# KiCad board msf-owl-clock.kicad_pcb
title: MSF Owl Clock; date: June 2024; rev: 0.1; company: Pete Restall <pete@restall.net>; note: Stackup JLC04161H-7628; note: https://jlcpcb.com/capabilities/pcb-capabilities; note: Drawn according to JLCPCB capabilities:
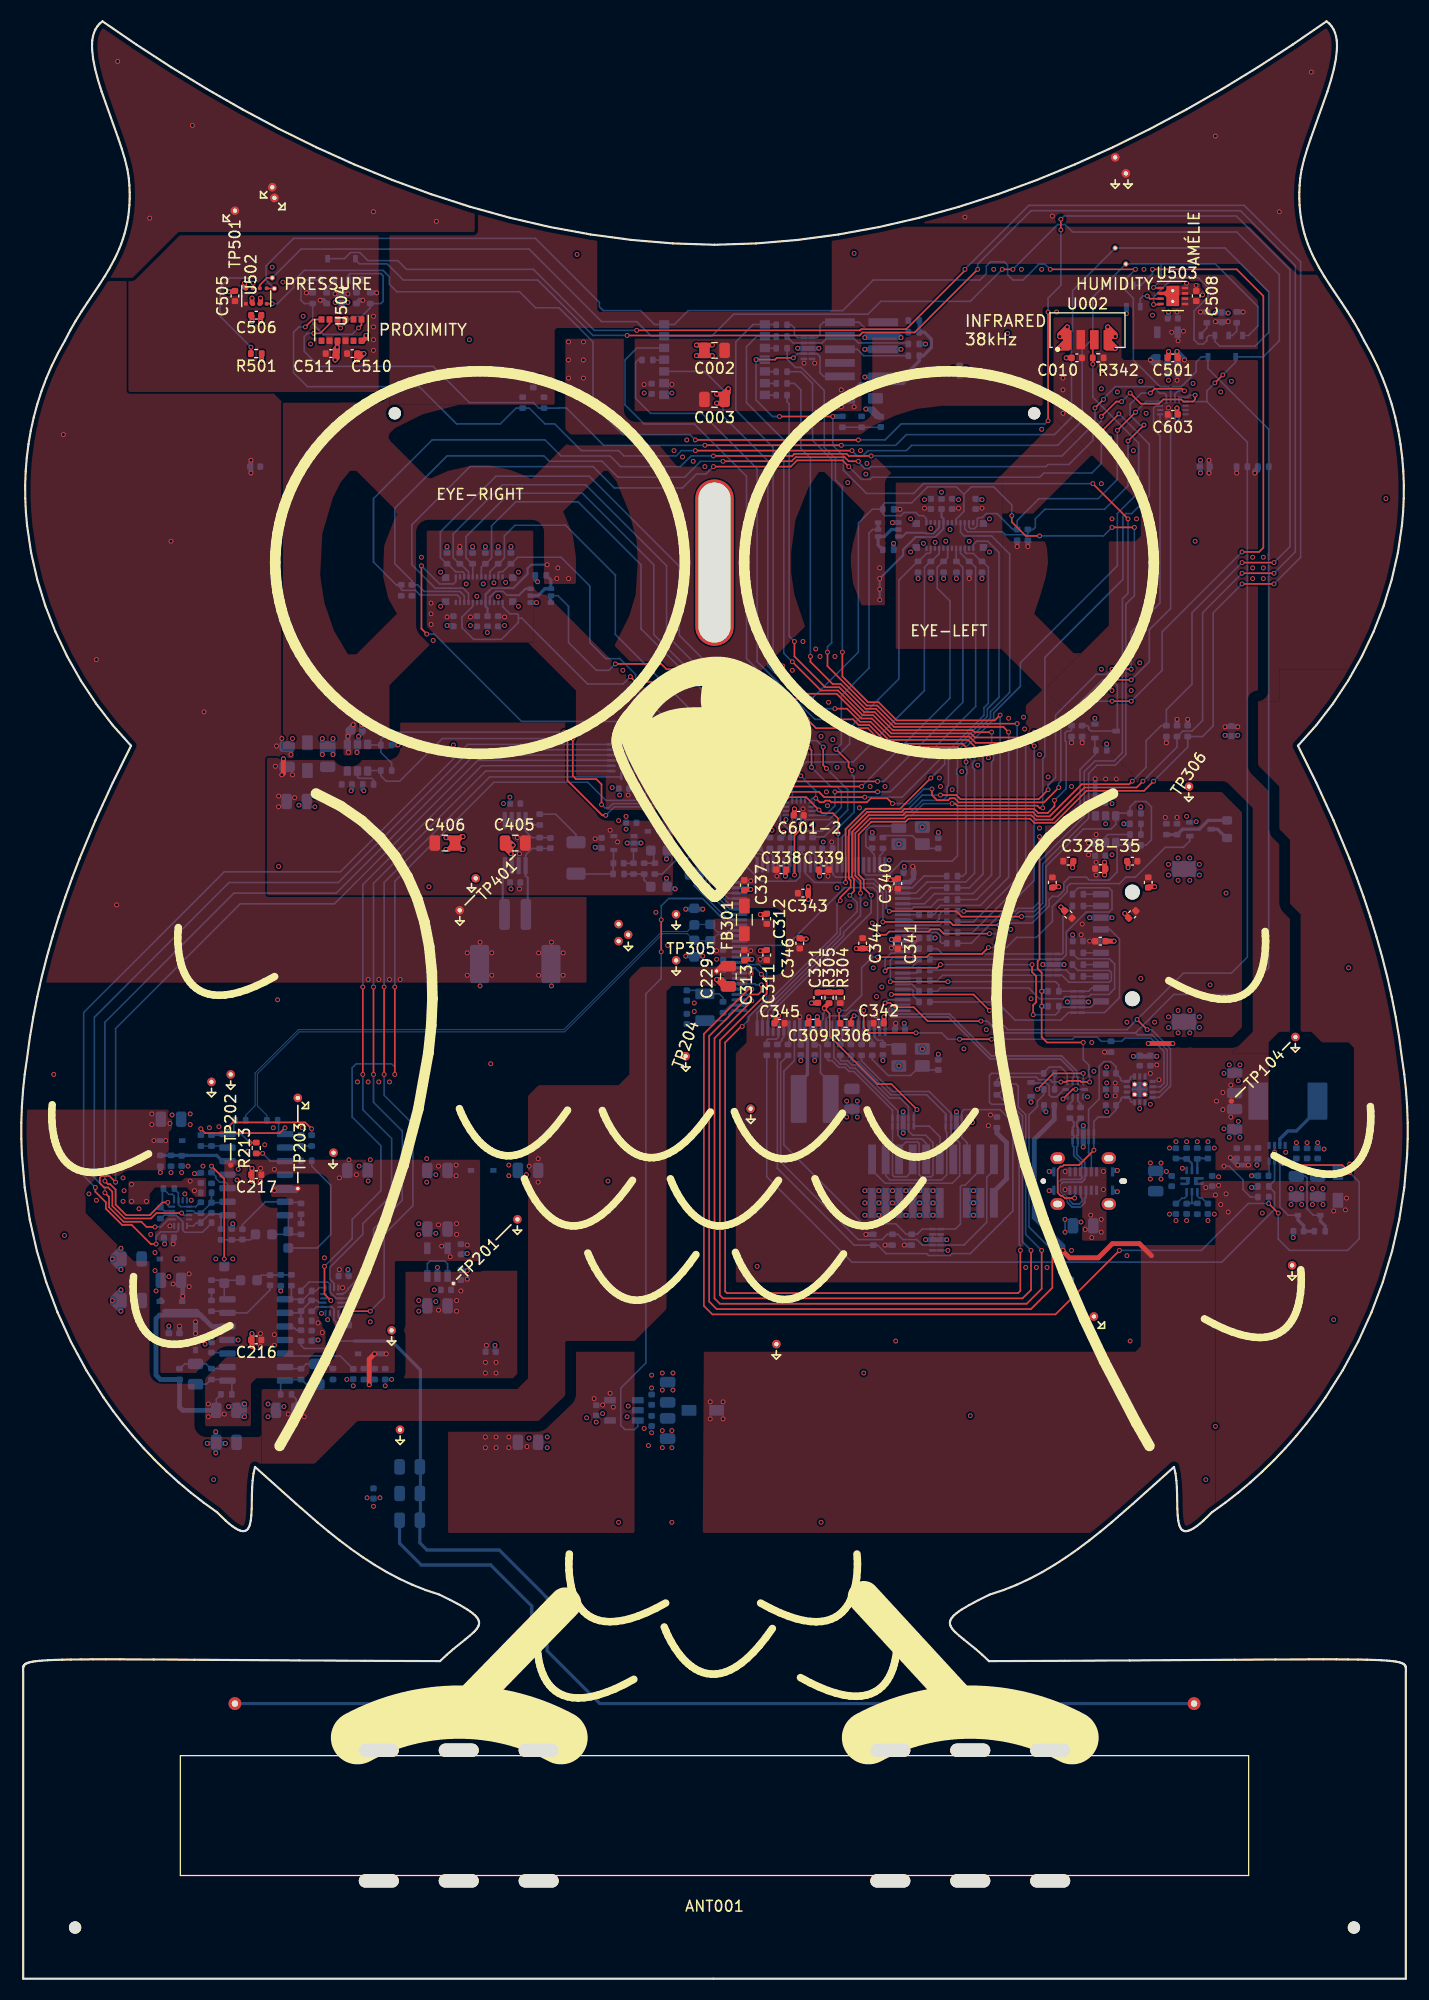
[diagram p0: board, top side]
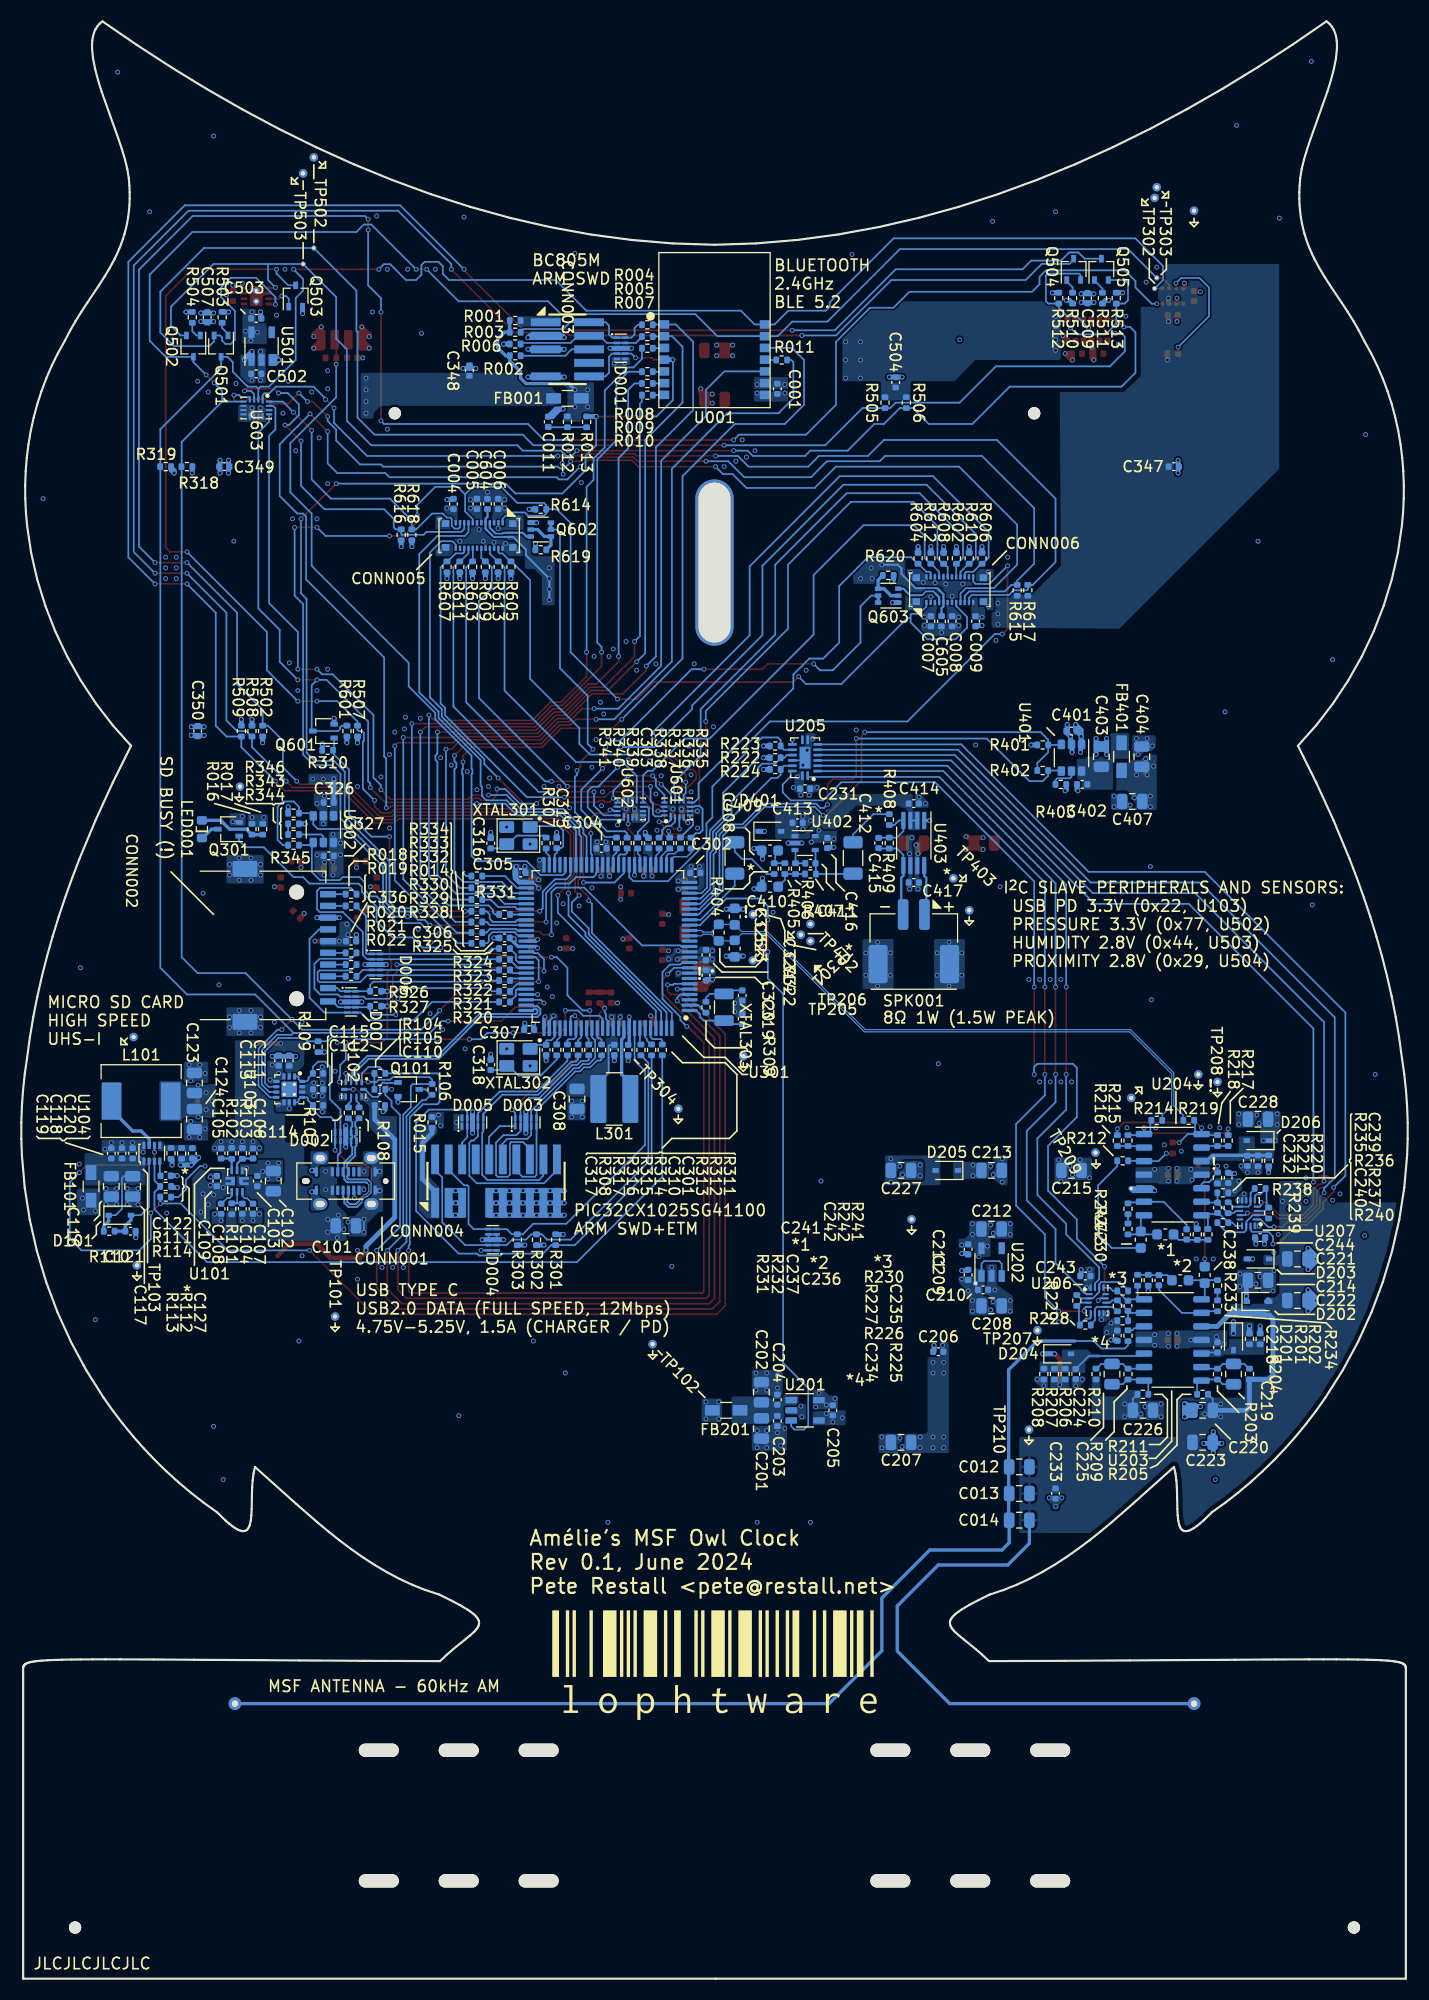
[diagram p1: board, bottom side, seen from below]

Outline 130.09 x 183.55 mm; copper layers: Top, In1.Cu (plane), In2.Cu (plane), Bottom. Coordinates in mm from the lower left corner of the outline.
Outline path: 65.05,162.6 61.14,162.73 57.26,163.05 53.42,163.57 49.61,164.26 45.84,165.13 42.12,166.16 38.43,167.35 34.8,168.68 31.21,170.15 27.67,171.75 24.18,173.46 20.75,175.29 17.38,177.23 14.06,179.25 10.81,181.36 7.62,183.55 7.35,183.34 7.13,183.08 6.95,182.8 6.82,182.48 6.72,182.14 6.66,181.77 6.64,181.37 6.64,180.95 6.74,180.04 6.93,179.07 7.2,178.04 7.53,176.97 9.08,172.61 9.43,171.58 9.73,170.59 9.95,169.68 10.08,168.85 10.14,168.18 10.17,167.53 10.17,166.91 10.14,166.31 10.1,165.74 10.02,165.18 9.93,164.64 9.82,164.12 9.68,163.62 9.53,163.13 9.36,162.66 9.18,162.19 8.98,161.74 8.77,161.3 8.31,160.45 7.81,159.62 7.29,158.8 6.19,157.16 5.64,156.33 5.1,155.46 4.58,154.56 4.09,153.61 3.45,152.46 2.86,151.28 2.35,150.08 1.89,148.87 1.5,147.64 1.16,146.4 0.89,145.15 0.67,143.9 0.51,142.63 0.41,141.36 0.36,140.08 0.37,138.81 0.43,137.53 0.54,136.26 0.92,133.72 1.49,131.21 2.25,128.74 3.19,126.33 4.31,123.99 5.58,121.74 7.01,119.58 8.58,117.54 10.3,115.62 8.58,112.15 6.96,108.63 5.47,105.04 4.77,103.23 4.12,101.41 3.51,99.57 2.93,97.72 2.41,95.86 1.93,93.98 1.5,92.1 1.13,90.2 0.81,88.28 0.54,86.36 0.32,84.84 0.16,83.32 0.05,81.8 0,80.27 0,78.75 0.05,77.23 0.32,74.2 0.79,71.19 1.46,68.23 2.33,65.32 3.4,62.48 4.65,59.72 6.09,57.06 7.72,54.5 8.59,53.26 9.51,52.05 10.48,50.88 11.48,49.74 12.53,48.64 13.62,47.57 14.75,46.55 15.92,45.56 17.13,44.62 18.38,43.73 19.16,42.96 19.5,42.67 19.81,42.43 20.08,42.24 20.32,42.11 20.54,42.02 20.73,41.97 20.9,41.97 21.04,42.01 21.16,42.08 21.27,42.19 21.35,42.34 21.43,42.51 21.53,42.94 21.58,43.46 21.61,44.05 21.64,45.36 21.66,46.05 21.71,46.73 21.79,47.38 21.93,47.99 25.8,44.52 27.81,42.78 28.83,41.92 29.88,41.09 30.95,40.29 32.04,39.53 33.15,38.8 34.3,38.12 35.47,37.5 36.68,36.94 37.93,36.45 39.21,36.03 40.27,35.5 41.14,35.04 41.82,34.64 42.1,34.45 42.34,34.28 42.53,34.11 42.69,33.95 42.81,33.8 42.89,33.65 42.94,33.5 42.96,33.36 42.94,33.22 42.9,33.08 42.82,32.94 42.72,32.79 42.59,32.64 42.44,32.49 42.08,32.16 41.63,31.79 40.55,30.92 39.93,30.39 39.29,29.78 32.23,29.81 26.08,29.84 16.24,29.91 12.42,29.93 9.26,29.95 7.91,29.95 6.7,29.95 5.62,29.94 4.66,29.93 3.83,29.91 3.1,29.89 2.48,29.86 1.95,29.83 1.71,29.81 1.5,29.79 1.31,29.76 1.14,29.74 0.99,29.71 0.85,29.68 0.73,29.65 0.62,29.62 0.53,29.58 0.45,29.55 0.38,29.51 0.33,29.46 0.28,29.42 0.24,29.37 0.22,29.32 0.2,29.27 0.18,29.22 0.17,29.16 0.17,29.1 0.17,29.04 0.18,28.76 0.18,0 64.94,0 129.91,0 129.91,28.76 129.92,29.04 129.92,29.1 129.92,29.16 129.91,29.22 129.89,29.27 129.87,29.32 129.84,29.37 129.81,29.42 129.76,29.46 129.71,29.51 129.64,29.54 129.56,29.58 129.47,29.62 129.36,29.65 129.24,29.68 129.1,29.71 128.95,29.74 128.78,29.76 128.59,29.79 128.37,29.81 128.14,29.83 127.61,29.86 126.99,29.89 126.26,29.91 125.43,29.93 124.47,29.94 123.39,29.94 122.18,29.95 120.83,29.94 117.67,29.93 113.85,29.91 104.01,29.84 97.86,29.81 90.8,29.78 90.16,30.38 89.54,30.92 88.46,31.79 88.01,32.16 87.65,32.49 87.49,32.64 87.37,32.79 87.27,32.93 87.19,33.08 87.15,33.22 87.13,33.36 87.15,33.5 87.2,33.65 87.28,33.8 87.4,33.95 87.56,34.11 87.75,34.28 87.99,34.45 88.27,34.64 88.95,35.04 89.82,35.5 90.88,36.03 92.16,36.45 93.41,36.94 94.62,37.5 95.79,38.12 96.94,38.8 98.05,39.52 99.14,40.29 100.21,41.09 101.26,41.92 102.28,42.77 104.29,44.52 108.16,47.99 108.3,47.38 108.38,46.73 108.43,46.05 108.45,45.36 108.48,44.04 108.5,43.45 108.56,42.94 108.66,42.51 108.73,42.34 108.82,42.19 108.92,42.08 109.05,42.01 109.19,41.97 109.36,41.97 109.55,42.02 109.77,42.11 110.01,42.24 110.28,42.43 110.59,42.67 110.93,42.96 111.71,43.72 112.96,44.62 114.17,45.56 115.34,46.55 116.47,47.57 117.56,48.64 118.61,49.74 119.61,50.88 120.58,52.05 121.5,53.26 122.37,54.49 123.99,57.06 125.43,59.72 126.69,62.48 127.75,65.32 128.63,68.23 129.3,71.19 129.77,74.19 130.04,77.22 130.09,78.75 130.09,80.27 130.04,81.8 129.93,83.32 129.77,84.84 129.55,86.36 129.28,88.28 128.96,90.19 128.59,92.09 128.16,93.98 127.68,95.86 127.16,97.72 126.58,99.57 125.97,101.41 125.31,103.23 124.62,105.04 123.13,108.62 121.51,112.15 119.79,115.62 121.51,117.53 123.08,119.58 124.51,121.73 125.78,123.99 126.89,126.33 127.84,128.74 128.6,131.21 129.17,133.72 129.55,136.26 129.66,137.53 129.72,138.81 129.73,140.08 129.68,141.36 129.58,142.63 129.42,143.89 129.2,145.15 128.93,146.4 128.59,147.64 128.2,148.87 127.74,150.08 127.22,151.28 126.64,152.45 126,153.61 125.51,154.56 124.99,155.46 124.45,156.33 123.9,157.16 122.8,158.8 122.28,159.61 121.78,160.45 121.32,161.3 121.11,161.74 120.91,162.19 120.73,162.66 120.56,163.13 120.41,163.62 120.27,164.12 120.16,164.64 120.07,165.18 119.99,165.73 119.95,166.31 119.92,166.91 119.92,167.53 119.95,168.18 120,168.85 120.14,169.68 120.36,170.59 120.66,171.58 121.01,172.61 122.56,176.97 122.89,178.04 123.16,179.07 123.35,180.04 123.45,180.95 123.45,181.37 123.43,181.76 123.37,182.14 123.27,182.48 123.13,182.8 122.96,183.08 122.74,183.33 122.47,183.55 119.28,181.36 116.03,179.25 112.71,177.22 109.34,175.29 105.91,173.46 102.42,171.74 98.88,170.15 95.29,168.68 91.66,167.35 87.97,166.16 84.25,165.13 80.48,164.26 76.67,163.57 72.83,163.05 68.95,162.73 65.04,162.6
Stack: Top 0.035mm / dielectric 0.2104mm FR4 er 4.4 / In1.Cu 0.0152mm / dielectric 1.065mm FR4 er 4.6 / In2.Cu 0.0152mm / dielectric 0.2104mm FR4 er 4.4 / Bottom 0.035mm

## Placement (name value [footprint] x y rotation side)
ANT001  1.274mH  [ferrite-rod-antenna]  65.04 15.3 0 top
C001  4.7μF  [unpolarised-nominal-0402-1005]  59.14 149.1 270 bottom
C002  22μF  [unpolarised-nominal-0805-2012]  65.04 152.7 180 top
C003  DNP  [unpolarised-nominal-0805-2012]  65.04 148.1 0 top
C004  4.7μF  [unpolarised-nominal-0402-1005]  89.54 138.3 90 bottom
C005  4.7μF  [unpolarised-nominal-0402-1005]  87.34 138.3 90 bottom
C006  4.7μF  [unpolarised-nominal-0402-1005]  85.34 138.3 90 bottom
C007  4.7μF  [unpolarised-nominal-0402-1005]  44.74 127.3 270 bottom
C008  4.7μF  [unpolarised-nominal-0402-1005]  42.74 127.3 270 bottom
C009  4.7μF  [unpolarised-nominal-0402-1005]  40.54 127.3 270 bottom
C010  4.7μF  [unpolarised-nominal-0402-1005]  99.04 152 180 top
C011  100nF  [unpolarised-nominal-0402-1005]  80.64 146 90 bottom
C012  DNP  [unpolarised-nominal-0805-2012]  36.44 48 180 bottom
C013  DNP  [unpolarised-nominal-0805-2012]  36.44 45.5 180 bottom
C014  DNP  [unpolarised-nominal-0805-2012]  36.44 43 180 bottom
C101  4.7μF  [unpolarised-nominal-0805-2012]  99.64 70.6 180 bottom
C102  4.7μF  [unpolarised-nominal-0805-2012]  106.44 74.8 90 bottom
C103  100nF  [unpolarised-nominal-0402-1005]  107.94 74.8 90 bottom
C104  100nF  [unpolarised-nominal-0402-1005]  109.34 72.2 270 bottom
C105  DNP  [unpolarised-nominal-0402-1005]  111.34 77.4 90 bottom
C106  39pF  [unpolarised-nominal-0402-1005]  108.34 77.4 90 bottom
C107  100nF  [unpolarised-nominal-0402-1005]  108.34 72.2 270 bottom
C108  100pF  [unpolarised-nominal-0402-1005]  111.34 72.2 270 bottom
C109  4.7μF  [unpolarised-nominal-0402-1005]  111.74 74.8 90 bottom
C110  4.7μF  [unpolarised-nominal-0402-1005]  96.44 81.9 180 bottom
C111  100nF  [unpolarised-nominal-0402-1005]  104.94 86.1 90 bottom
C112  4.7μF  [unpolarised-nominal-0402-1005]  102.24 83.4 180 bottom
C113  4.7μF  [unpolarised-nominal-0402-1005]  105.94 86.1 90 bottom
C114  470pF  [unpolarised-nominal-0402-1005]  102.24 81.9 180 bottom
C115  470pF  [unpolarised-nominal-0402-1005]  102.24 84.9 180 bottom
C116  22μF  [unpolarised-nominal-0805-2012]  121.64 74.3 270 bottom
C117  22μF  [unpolarised-nominal-0805-2012]  119.64 74.3 270 bottom
C118  4.7μF  [unpolarised-nominal-0402-1005]  120.64 77.4 90 bottom
C119  4.7μF  [unpolarised-nominal-0402-1005]  121.64 77.4 90 bottom
C120  4.7μF  [unpolarised-nominal-0402-1005]  119.64 77.4 90 bottom
C121  4.7μF  [unpolarised-nominal-0402-1005]  119.84 70.1 180 bottom
C122  47nF  [unpolarised-nominal-0402-1005]  116.54 75.3 180 bottom
C123  22μF  [unpolarised-nominal-0805-2012]  113.84 84 90 bottom
C124  22μF  [unpolarised-nominal-0805-2012]  113.84 80.6 270 bottom
C127  10pF  [unpolarised-nominal-0402-1005]  114.04 77.4 90 bottom
C201  22μF  [unpolarised-nominal-0805-2012]  60.64 51.6 270 bottom
C202  22μF  [unpolarised-nominal-0805-2012]  60.64 55 90 bottom
C203  4.7μF  [unpolarised-nominal-0402-1005]  59.14 52.3 270 bottom
C204  4.7μF  [unpolarised-nominal-0402-1005]  59.14 54.3 90 bottom
C205  4.7μF  [unpolarised-nominal-0402-1005]  53.94 53.3 270 bottom
C206  4.7μF  [unpolarised-nominal-0402-1005]  44.04 58.8 0 bottom
C207  22μF  [unpolarised-nominal-0805-2012]  47.54 50.3 0 bottom
C208  22μF  [unpolarised-nominal-0805-2012]  39.04 63.1 180 bottom
C209  4.7μF  [unpolarised-nominal-0402-1005]  41.24 66 90 bottom
C210  4.7μF  [unpolarised-nominal-0402-1005]  39.84 64.6 180 bottom
C211  4.7μF  [unpolarised-nominal-0402-1005]  41.24 68.4 270 bottom
C212  22μF  [unpolarised-nominal-0805-2012]  39.04 70.3 180 bottom
C213  22μF  [unpolarised-nominal-0805-2012]  39.04 75.8 180 bottom
C214  22μF  [unpolarised-nominal-0805-2012]  14.04 65.5 180 bottom
C215  DNP  [unpolarised-nominal-0805-2012]  31.54 75.8 0 bottom
C216  4.7μF  [unpolarised-nominal-0402-1005]  22.04 59.9 180 top
C217  4.7μF  [unpolarised-nominal-0402-1005]  22.04 75.4 180 top
C218  4.7μF  [unpolarised-nominal-0402-1005]  17.84 59.2 90 bottom
C219  DNP  [unpolarised-nominal-0805-2012]  16.34 56.7 270 bottom
C220  22μF  [unpolarised-nominal-0805-2012]  19.24 53.3 0 bottom
C221  22μF  [unpolarised-nominal-0805-2012]  10.34 67.5 180 bottom
C222  22μF  [unpolarised-nominal-0805-2012]  10.34 63.6 180 bottom
C223  DNP  [unpolarised-nominal-0805-2012]  19.24 50.3 180 bottom
C224  4.7μF  [unpolarised-nominal-0402-1005]  31.14 56.7 270 bottom
C225  DNP  [unpolarised-nominal-0805-2012]  27.74 56.7 270 bottom
C226  22μF  [unpolarised-nominal-0805-2012]  24.84 53.3 180 bottom
C227  22μF  [unpolarised-nominal-0805-2012]  47.54 75.8 180 bottom
C228  DNP  [unpolarised-nominal-0805-2012]  14.04 80.6 0 bottom
C229  DNP  [unpolarised-nominal-0805-2012]  66.34 94 270 top
C230  4.7nF  [unpolarised-nominal-0603-1608]  25.04 69.3 90 bottom
C231  4.7μF  [unpolarised-nominal-0402-1005]  56.54 111.6 180 bottom
C232  4.7μF  [unpolarised-nominal-0402-1005]  15.04 76.7 270 bottom
C233  4.7μF  [unpolarised-nominal-0402-1005]  33.04 45.5 270 bottom
C234  4.7μF  [unpolarised-nominal-0402-1005]  27.24 60.3 270 bottom
C235  DNP  [unpolarised-nominal-0402-1005]  26.24 63.1 90 bottom
C236  4.7nF  [unpolarised-nominal-0603-1608]  21.34 65.5 180 bottom
C237  470pF  [unpolarised-nominal-0402-1005]  23.34 65.5 270 bottom
C238  4.7nF  [unpolarised-nominal-0603-1608]  19.04 66 270 bottom
C239  4.7μF  [unpolarised-nominal-0402-1005]  16.84 75.1 90 bottom
C240  DNP  [unpolarised-nominal-0402-1005]  17.84 72.3 270 bottom
C241  4.7nF  [unpolarised-nominal-0603-1608]  22.74 69.8 0 bottom
C242  470pF  [unpolarised-nominal-0402-1005]  20.74 69.8 90 bottom
C243  4.7μF  [unpolarised-nominal-0402-1005]  30.24 65.9 0 bottom
C244  4.7μF  [unpolarised-nominal-0402-1005]  13.84 69.5 180 bottom
C301  4.7μF  [unpolarised-nominal-0402-1005]  73.14 87.1 270 bottom
C302  4.7μF  [unpolarised-nominal-0402-1005]  66.84 103.7 180 bottom
C303  4.7μF  [unpolarised-nominal-0402-1005]  71.24 106.5 90 bottom
C304  4.7μF  [unpolarised-nominal-0402-1005]  75.64 106 180 bottom
C305  4.7μF  [unpolarised-nominal-0402-1005]  83.24 103.7 180 bottom
C306  4.7μF  [unpolarised-nominal-0402-1005]  84.74 97.6 0 bottom
C307  4.7μF  [unpolarised-nominal-0402-1005]  82.44 89 0 bottom
C308  22μF  [unpolarised-nominal-0805-2012]  77.94 82.5 270 bottom
C309  4.7μF  [unpolarised-nominal-0402-1005]  74.29 89.6 180 top
C310  4.7μF  [unpolarised-nominal-0402-1005]  74.44 87.1 270 bottom
C311  4.7μF  [unpolarised-nominal-0402-1005]  69.94 96 90 top
C312  4.7μF  [unpolarised-nominal-0402-1005]  69.94 99.4 90 top
C313  4.7μF  [unpolarised-nominal-0402-1005]  67.84 96 270 top
C314  4.7μF  [unpolarised-nominal-0402-1005]  65.84 96 270 bottom
C315  13pF  [unpolarised-nominal-0402-1005]  79.84 106.5 90 bottom
C316  13pF  [unpolarised-nominal-0402-1005]  86.04 106.48 90 bottom
C317  DNP  [unpolarised-nominal-0402-1005]  80.84 87.1 270 bottom
C318  DNP  [unpolarised-nominal-0402-1005]  86.04 85.7 90 bottom
C319  16pF  [unpolarised-nominal-0402-1005]  62.44 90 90 bottom
C320  16pF  [unpolarised-nominal-0402-1005]  62.44 92.2 270 bottom
C321  100nF  [unpolarised-nominal-0402-1005]  74.74 92 270 top
C322  4.7μF  [unpolarised-nominal-0402-1005]  65.84 94.1 270 bottom
C323  DNP  [unpolarised-nominal-0603-1608]  63.14 96.6 90 bottom
C324  4.7nF  [unpolarised-nominal-0603-1608]  64.64 98.1 270 bottom
C325  DNP  [unpolarised-nominal-0603-1608]  63.14 99.6 270 bottom
C326  4.7μF  [unpolarised-nominal-0402-1005]  101.24 110.3 0 bottom
C327  4.7μF  [unpolarised-nominal-0402-1005]  101.24 105.3 0 bottom
C328  4.7μF  [unpolarised-nominal-0402-1005]  98.24 104.8 0 top
C329  4.7μF  [unpolarised-nominal-0402-1005]  104.24 104.8 180 top
C330  4.7μF  [unpolarised-nominal-0402-1005]  101.24 104.1 0 top
C331  4.7μF  [unpolarised-nominal-0402-1005]  96.74 102.8 270 top
C332  4.7μF  [unpolarised-nominal-0402-1005]  105.74 102.8 270 top
C333  4.7μF  [unpolarised-nominal-0402-1005]  98.24 99.8 135 top
C334  4.7μF  [unpolarised-nominal-0402-1005]  104.24 99.8 225 top
C335  4.7μF  [unpolarised-nominal-0402-1005]  101.24 97.3 0 top
C336  4.7μF  [unpolarised-nominal-0402-1005]  99.14 97.3 180 bottom
C337  4.7μF  [unpolarised-nominal-0402-1005]  67.84 102.55 270 top
C338  4.7μF  [unpolarised-nominal-0402-1005]  71.29 104 0 top
C339  4.7μF  [unpolarised-nominal-0402-1005]  75.29 104 180 top
C340  4.7μF  [unpolarised-nominal-0402-1005]  82.24 102.7 90 top
C341  4.7μF  [unpolarised-nominal-0402-1005]  82.24 97.05 90 top
C342  4.7μF  [unpolarised-nominal-0402-1005]  80.44 89.6 0 top
C343  4.7μF  [unpolarised-nominal-0402-1005]  73.34 101.8 0 top
C344  4.7μF  [unpolarised-nominal-0402-1005]  78.94 97.1 270 top
C345  4.7μF  [unpolarised-nominal-0402-1005]  71.14 89.6 180 top
C346  4.7μF  [unpolarised-nominal-0402-1005]  73.04 97.1 90 top
C347  4.7μF  [unpolarised-nominal-0402-1005]  21.94 141.8 180 bottom
C348  4.7μF  [unpolarised-nominal-0402-1005]  88.04 150.8 90 bottom
C349  4.7μF  [unpolarised-nominal-0402-1005]  111.04 141.8 180 bottom
C350  4.7μF  [unpolarised-nominal-0402-1005]  113.54 117 270 bottom
C401  4.7μF  [unpolarised-nominal-0402-1005]  31.54 117 0 bottom
C402  4.7μF  [unpolarised-nominal-0402-1005]  30.54 112 0 bottom
C403  22μF  [unpolarised-nominal-0805-2012]  28.74 114.6 90 bottom
C404  22μF  [unpolarised-nominal-0805-2012]  24.94 114.6 90 bottom
C405  22μF  [unpolarised-nominal-0805-2012]  46.34 106.5 180 top
C406  22μF  [unpolarised-nominal-0805-2012]  39.74 106.5 0 top
C407  DNP  [unpolarised-nominal-0805-2012]  25.84 110.4 0 bottom
C408  100nF  [unpolarised-nominal-1206-3216]  63.14 105.1 90 bottom
C409  4.7nF  [unpolarised-nominal-0603-1608]  59.84 105.8 180 bottom
C410  4.7nF  [unpolarised-nominal-0603-1608]  59.84 102.4 180 bottom
C411  22pF  [unpolarised-nominal-0402-1005]  56.04 104.6 180 bottom
C412  100nF  [unpolarised-nominal-1206-3216]  52.04 105.1 90 bottom
C413  4.7μF  [unpolarised-nominal-0402-1005]  57.24 108.4 180 bottom
C414  4.7μF  [unpolarised-nominal-0402-1005]  46.34 110.2 180 bottom
C415  DNP  [unpolarised-nominal-0402-1005]  49.64 106.5 270 bottom
C416  4.7μF  [unpolarised-nominal-0402-1005]  54.44 106.5 270 bottom
C417  4.7μF  [unpolarised-nominal-0402-1005]  46.34 102.8 180 bottom
C501  4.7μF  [unpolarised-nominal-0402-1005]  108.04 152 180 top
C502  4.7μF  [unpolarised-nominal-0402-1005]  108.04 150.5 180 bottom
C503  4.7μF  [unpolarised-nominal-0402-1005]  108.04 155.7 180 bottom
C504  4.7μF  [unpolarised-nominal-0402-1005]  48.04 149.7 90 bottom
C505  4.7μF  [unpolarised-nominal-0402-1005]  20.04 157.8 90 top
C506  4.7μF  [unpolarised-nominal-0402-1005]  22.04 156 180 top
C507  4.7μF  [unpolarised-nominal-0402-1005]  112.64 155.8 90 bottom
C508  4.7μF  [unpolarised-nominal-0402-1005]  110.24 157.8 90 top
C509  4.7μF  [unpolarised-nominal-0402-1005]  30.04 157.6 270 bottom
C510  4.7μF  [unpolarised-nominal-0402-1005]  31.04 152.4 0 top
C511  4.7μF  [unpolarised-nominal-0402-1005]  29.04 152.4 0 top
C601  4.7μF  [unpolarised-nominal-0402-1005]  68.54 109.09 180 top
C602  4.7μF  [unpolarised-nominal-0402-1005]  72.94 109.1 180 top
C603  4.7μF  [unpolarised-nominal-0402-1005]  108.04 146.7 0 top
C604  4.7μF  [unpolarised-nominal-0402-1005]  86.34 138.3 90 bottom
C605  4.7μF  [unpolarised-nominal-0402-1005]  43.74 127.3 270 bottom
CONN001  -  [GSB1CA11101DSHR]  99.64 74.8 0 bottom
CONN002  -  [MSD-11-A]  106.94 96.9 270 bottom
CONN003  Cortex-M Debug Header  [FTSH-105-?-?-DV-007-?-?]  78.84 152.8 270 bottom
CONN004  Cortex-M Debug Header with ETM  [FTSH-110-01-?-DV-007-?-?]  85.54 74.8 180 bottom
CONN005  EastRising ER-TFT1.32-1  [OK-14GF024-04]  87.12 135.34 0 bottom
CONN006  EastRising ER-TFT1.32-1  [OK-14GF024-04]  42.96 130.26 180 bottom
D001  -  [D5V0FS4U10LP]  73.84 152.9 270 bottom
D002  -  [D5V0FS4U10LP]  99.64 79 0 bottom
D003  -  [D5V0FS4U10LP]  82.74 80.3 180 bottom
D004  -  [D5V0FS4U10LP]  85.84 69.3 90 bottom
D005  -  [D5V0FS4U10LP]  87.74 80.3 180 bottom
D006  -  [D5V0FS4U10LP]  96.84 95.1 270 bottom
D007  -  [D5V0FS4U10LP]  99.14 91.6 270 bottom
D101  SD103AWS  [SOD323]  120.84 71.6 180 bottom
D201  SD103AWS  [SOD323]  16.34 60 270 bottom
D202  SD103AWS  [SOD323]  14.04 63.5 180 bottom
D203  SD103AWS  [SOD323]  14.04 67.5 0 bottom
D204  SD103AWS  [SOD323]  32.64 58.6 180 bottom
D205  SD103AWS  [SOD323]  43.24 75.8 0 bottom
D206  SD103AWS  [SOD323]  14.04 78.6 0 bottom
D401  SD103AWS  [SOD323]  59.84 107.6 180 bottom
EYE-LEFT  -  [er-tft1.32-1-eye]  87.04 132.8 180 top
EYE-RIGHT  -  [er-tft1.32-1-eye]  43.04 132.8 0 top
FB001  WLBD2012HCU601TH  [WLBD2012]  78.84 148.2 0 bottom
FB101  WLBD2012HCU121TH  [WLBD2012]  123.54 74.3 90 bottom
FB201  WLBD2012HCU601TH  [WLBD2012]  63.94 53.3 180 bottom
FB301  WLBD2012HCU601TH  [WLBD2012]  67.84 99.3 270 top
FB401  WLBD2012HCU121TH  [WLBD2012]  26.84 114.6 270 bottom
L101  680nH  [07A7]  118.84 82.3 180 bottom
L301  10μH  [HPC4018NF]  74.44 82.5 0 bottom
LED001  SD Card Busy  [nominal-0603-1608]  113.14 107.8 90 bottom
NT001  Net Tie  [net-tie-2-6mil]  97.94 70.6 270 bottom
NT601  Net Tie  [net-tie-2-6mil]  90.14 135.3 0 bottom
NT602  Net Tie  [net-tie-2-6mil]  39.94 130.4 180 bottom
NT603  Net Tie  [net-tie-2-6mil]  90.14 134.8 0 bottom
NT604  Net Tie  [net-tie-2-6mil]  39.94 130.8 180 bottom
NT605  Net Tie  [net-tie-2-6mil]  88.44 137.9 270 bottom
NT606  Net Tie  [net-tie-2-6mil]  41.34 127.3 90 bottom
NT607  Net Tie  [net-tie-2-6mil]  83.44 137.5 0 bottom
NT608  Net Tie  [net-tie-2-6mil]  46.24 128 180 bottom
Q101  NX6008NBKW  [SOT323]  93.74 83.4 180 bottom
Q301  NX6008NBKW  [SOT323]  110.64 107.8 0 bottom
Q501  NX6008NBKW  [SOT323]  111.34 153.1 270 bottom
Q502  NX6008NBKW  [SOT323]  113.94 153.1 270 bottom
Q503  NX6008NBKW  [SOT323]  104.34 157.8 90 bottom
Q504  NX6008NBKW  [SOT323]  31.34 160.3 90 bottom
Q505  NX6008NBKW  [SOT323]  28.74 160.3 90 bottom
Q601  NX6008NBKW  [SOT323]  101.74 117 0 bottom
Q602  BC847BS  [SOT363]  81.34 135.9 180 bottom
Q603  BC847BS  [SOT363]  48.74 129.7 0 bottom
R001  330Ω  [nominal-0402-1005]  83.74 155.5 0 bottom
R002  10kΩ  [nominal-0402-1005]  83.74 152.2 180 bottom
R003  10kΩ  [nominal-0402-1005]  83.74 154.4 180 bottom
R004  43Ω  [nominal-0402-1005]  71.34 155.1 180 bottom
R005  43Ω  [nominal-0402-1005]  71.34 154 180 bottom
R006  10kΩ  [nominal-0402-1005]  83.74 153.3 0 bottom
R007  43Ω  [nominal-0402-1005]  71.34 152.9 180 bottom
R008  43Ω  [nominal-0402-1005]  71.34 150.7 180 bottom
R009  43Ω  [nominal-0402-1005]  71.34 149.6 180 bottom
R010  43Ω  [nominal-0402-1005]  71.34 148.5 180 bottom
R011  43Ω  [nominal-0402-1005]  58.74 151.8 180 bottom
R012  10kΩ  [nominal-0402-1005]  78.84 146 270 bottom
R013  1kΩ  [nominal-0402-1005]  77.04 146 270 bottom
R014  1kΩ  [nominal-0402-1005]  87.34 100.1 180 bottom
R015  330Ω  [nominal-0402-1005]  91.54 80.3 90 bottom
R016  390Ω  [nominal-0402-1005]  108.44 107.8 90 bottom
R017  390Ω  [nominal-0402-1005]  107.44 107.8 90 bottom
R018  43Ω  [nominal-0402-1005]  99.14 101.7 180 bottom
R019  43Ω  [nominal-0402-1005]  99.14 100.6 180 bottom
R020  43Ω  [nominal-0402-1005]  99.14 96.2 180 bottom
R021  43Ω  [nominal-0402-1005]  99.14 95.1 180 bottom
R022  43Ω  [nominal-0402-1005]  99.14 94 180 bottom
R101  300kΩ  [nominal-0402-1005]  110.34 72.2 90 bottom
R102  0Ω  [nominal-0402-1005]  110.34 77.4 90 bottom
R103  1kΩ  [nominal-0402-1005]  109.34 77.4 90 bottom
R104  33kΩ  [nominal-0402-1005]  96.44 84.9 180 bottom
R105  33kΩ  [nominal-0402-1005]  96.44 83.4 180 bottom
R106  33kΩ  [nominal-0402-1005]  91.54 83.4 270 bottom
R107  2.2Ω  [nominal-0402-1005]  99.39 81.2 90 bottom
R108  2.2Ω  [nominal-0402-1005]  98.39 81.2 90 bottom
R109  3.3kΩ  [nominal-0402-1005]  102.24 87.4 90 bottom
R110  33kΩ  [nominal-0402-1005]  121.84 70.1 180 bottom
R111  33kΩ  [nominal-0402-1005]  116.54 74.3 180 bottom
R112  88.7kΩ  [nominal-0402-1005]  115.04 77.39 90 bottom
R113  19.6kΩ  [nominal-0402-1005]  116.04 77.4 270 bottom
R114  3.3kΩ  [nominal-0402-1005]  116.54 73.3 0 bottom
R201  4.99kΩ  [nominal-0402-1005]  14.84 60 270 bottom
R202  4.99kΩ  [nominal-0402-1005]  13.84 60 90 bottom
R203  0Ω  [nominal-0402-1005]  17.84 56.7 270 bottom
R204  DNP  [nominal-0402-1005]  14.84 56.7 270 bottom
R205  27Ω  [nominal-0402-1005]  19.24 54.8 180 bottom
R206  4.3kΩ  [nominal-0402-1005]  32.14 56.7 90 bottom
R207  4.3kΩ  [nominal-0402-1005]  33.14 56.7 90 bottom
R208  4.99kΩ  [nominal-0402-1005]  34.14 56.7 270 bottom
R209  0Ω  [nominal-0402-1005]  26.24 56.7 270 bottom
R210  DNP  [nominal-0402-1005]  29.24 56.7 270 bottom
R211  27Ω  [nominal-0402-1005]  24.84 54.8 0 bottom
R212  2.49kΩ  [nominal-0402-1005]  26.74 76.7 180 bottom
R213  2.49kΩ  [nominal-0402-1005]  22.04 77.9 90 top
R214  68Ω  [nominal-0402-1005]  23.54 80.5 180 bottom
R215  2.49kΩ  [nominal-0402-1005]  26.24 78.6 90 bottom
R216  2.49kΩ  [nominal-0402-1005]  27.24 78.6 90 bottom
R217  2.49kΩ  [nominal-0402-1005]  16.84 78.6 90 bottom
R218  2.49kΩ  [nominal-0402-1005]  17.84 78.6 90 bottom
R219  68Ω  [nominal-0402-1005]  20.54 80.5 0 bottom
R220  4.99kΩ  [nominal-0402-1005]  13.04 76.7 90 bottom
R221  4.99kΩ  [nominal-0402-1005]  14.04 76.7 270 bottom
R222  33kΩ  [nominal-0402-1005]  59.34 114.5 0 bottom
R223  33kΩ  [nominal-0402-1005]  59.34 115.6 0 bottom
R224  33kΩ  [nominal-0402-1005]  59.34 113.4 0 bottom
R225  390Ω  [nominal-0402-1005]  26.24 60.3 90 bottom
R226  47Ω  [nominal-0402-1005]  26.74 61.7 0 bottom
R227  390Ω  [nominal-0402-1005]  27.24 63.1 270 bottom
R228  1.24kΩ  [nominal-0402-1005]  30.24 61.3 0 bottom
R229  2.49kΩ  [nominal-0402-1005]  31.04 63.6 90 bottom
R230  4.99kΩ  [nominal-0402-1005]  26.74 64.5 0 bottom
R231  4.12kΩ  [nominal-0402-1005]  25.34 65.5 90 bottom
R232  64.9Ω  [nominal-0402-1005]  24.34 65.5 270 bottom
R233  49.9kΩ  [nominal-0402-1005]  17.84 65 270 bottom
R234  0Ω  [nominal-0402-1005]  17.84 63.1 270 bottom
R235  2.49kΩ  [nominal-0402-1005]  17.84 75.1 270 bottom
R236  100Ω  [nominal-0402-1005]  17.34 73.7 180 bottom
R237  390Ω  [nominal-0402-1005]  16.84 72.3 90 bottom
R238  1.24kΩ  [nominal-0402-1005]  13.84 74.1 180 bottom
R239  2.49kΩ  [nominal-0402-1005]  13.04 71.8 270 bottom
R240  4.99kΩ  [nominal-0402-1005]  17.34 70.9 180 bottom
R241  4.12kΩ  [nominal-0402-1005]  18.74 69.8 270 bottom
R242  64.9Ω  [nominal-0402-1005]  19.74 69.8 90 bottom
R243  49.9kΩ  [nominal-0402-1005]  26.24 70.31 90 bottom
R244  0Ω  [nominal-0402-1005]  26.24 72.2 90 bottom